# Altium PCB LB-word-PCB.PcbDoc (part 2 of 4)
Units mm, origin at the board's own origin, x right, y up, seen from the top; angles counter-clockwise.
Board outline 400 x 70 mm, 4 copper layers (Top Layer, Signal Layer 1, Signal Layer 2, Bottom Layer), stack 0.778 mm thick; 411 components, 279 nets, 1593 pads, 857 vias.
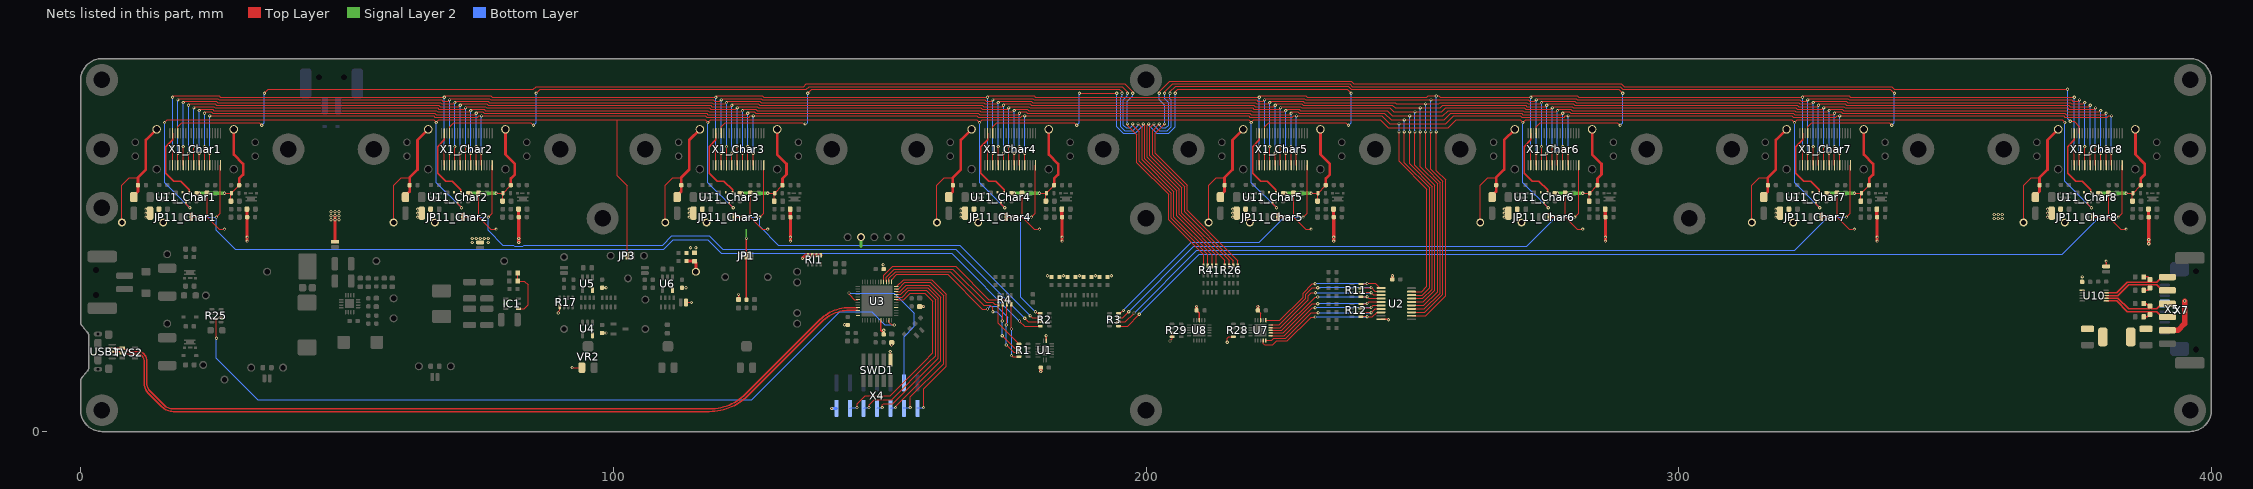
[diagram p4: the nets of this part, all layers, seen from the top]

## Part data
C1 C2_Char1 C2_Char2 C2_Char3 C2_Char4 C2_Char5 C2_Char6 C2_Char7 C2_Char8 C3_Char1 C3_Char2 C3_Char3 C3_Char4 C3_Char5 C3_Char6 C3_Char7 C3_Char8 C4_Char1 C4_Char2 C4_Char3 C4_Char4 C4_Char5 C4_Char6 C4_Char7 C4_Char8 C5_Char1 C5_Char2 C5_Char3 C5_Char4 C5_Char5 C5_Char6 C5_Char7 C5_Char8 C6_Char1 C6_Char2 C6_Char3 C6_Char4 C6_Char5 C6_Char6 C6_Char7 C6_Char8 C7_Char1 C7_Char2 C7_Char3 C7_Char4 C7_Char5 C7_Char6 C7_Char7 C7_Char8 C8_Char1 C8_Char2 C8_Char3 C8_Char4 C8_Char5 C8_Char6 C8_Char7 C8_Char8 C9 C10 C11 C12 C13 C14 C15 C16 C17 C18 C19 C20 C21 C22 C23 C24 C25 C26 C27 C28 C29 C31 C32 C33 C34 C35 C36 C37 C38_Char1 C38_Char2 C38_Char3 C38_Char4 C38_Char5 C38_Char6 C38_Char7 C38_Char8 CBST1 CFF1 CI1 CI2 CI3 CO1 CO2 CR1 CX1 CX2: library part Capacitor, "Capacitor MLCC", Manufacturer=Yageo, Manufacturer Part Number=CC0603KRX7R9BB104, Package=0603, Supplier Part Number 1=1362556, Tolerance (%)=10, Category=Capacitor, ComponentLink1Description="Manufacturer Website", ComponentLink1URL=http://www.yageo.com, Supplier 1=Farnell, Supplier 2=Digi-Key, Supplier Part Number 2=311-1344-1-ND
C30: library part "Capacitor Polarized", "Polarized Cap", PackageDocument=Mar-2001, Code_JEITA=7343-31, ComponentLink1Description="Manufacturer Link", ComponentLink1URL=http://www.kemet.com/, ComponentLink2Description=Datasheet, ComponentLink2URL=http://www.kemet.com/kemet/web/homepage/kechome.nsf/vapubfilesname/F3102TA.pdf/$file/F3102TA.pdf, DatasheetDocument=Mar-2001, LatestRevisionDate=19-Mar-2004, LatestRevisionNote="Silkscreen dimensions re-sized.", PackageReference=D, Published=17-Jul-2002, Publisher="Altium Limited"
D1 D5 D7: library part TVS
D3 D4 D6: library part "Diode Schottky"
F1_Char1 F1_Char2 F1_Char3 F1_Char4 F1_Char5 F1_Char6 F1_Char7 F1_Char8: library part PTC, "PTC, Resettable Fuse"
F2_Char1 F2_Char2 F2_Char3 F2_Char4 F2_Char5 F2_Char6 F2_Char7 F2_Char8 F3 F4 F5: "PTC, Resettable Fuse"
FB1_Char1 FB1_Char2 FB1_Char3 FB1_Char4 FB1_Char5 FB1_Char6 FB1_Char7 FB1_Char8 FB2_Char1 FB2_Char2 FB2_Char3 FB2_Char4 FB2_Char5 FB2_Char6 FB2_Char7 FB2_Char8 FB3_Char1 FB3_Char2 FB3_Char3 FB3_Char4 FB3_Char5 FB3_Char6 FB3_Char7 FB3_Char8 FBA1: library part "Ferrite Bead"
Hole1_Char1 Hole1_Char2 Hole1_Char3 Hole1_Char4 Hole1_Char5 Hole1_Char6 Hole1_Char7 Hole1_Char8 Hole2_Char1 Hole2_Char2 Hole2_Char3 Hole2_Char4 Hole2_Char5 Hole2_Char6 Hole2_Char7 Hole2_Char8 Hole3 Hole4 Hole5 Hole6 Hole7 Hole8 Hole9 Hole10 Hole11 Hole12 Hole13: library part Hole
IC1: "Buck Converter"
L23: library part Inductor
Q1_Char1 Q1_Char2 Q1_Char3 Q1_Char4 Q1_Char5 Q1_Char6 Q1_Char7 Q1_Char8 Q2_Char1 Q2_Char2 Q2_Char3 Q2_Char4 Q2_Char5 Q2_Char6 Q2_Char7 Q2_Char8 Q4 Q5: library part "MOSFET P CH"
R1 R2 R3 R4 R5 R6 R11 R12 R15 R17 R18 R21 R25 R26 R28 R29 R41 R42 R43 RI1: library part "Resistor Array - 4P"
R7_Char1 R7_Char2 R7_Char3 R7_Char4 R7_Char5 R7_Char6 R7_Char7 R7_Char8 R8_Char1 R8_Char2 R8_Char3 R8_Char4 R8_Char5 R8_Char6 R8_Char7 R8_Char8 R9 R10 R13 R14 R16 R19 R20 R22 R23 R24_Char1 R24_Char2 R24_Char3 R24_Char4 R24_Char5 R24_Char6 R24_Char7 R24_Char8 R27 R30 R31 R32 R33 R34 R35 R36 R37 R38 R39 R40 RFB1 RFB2 RS_SCL1 RS_SDA1 SHUNT1 SHUNT2: library part Resistor, PackageDocument=Mar-2003, Code_IPC="1608 [0603]", ComponentLink1Description="Manufacturer Link", ComponentLink1URL=http://www.panasonic.com/industrial/components/resistive_products.htm, ComponentLink2Description=Datasheet, ComponentLink2URL=http://www.panasonic.com/industrial/components/pdf/AOA0000CE2.pdf, LatestRevisionDate=19-Mar-2004, LatestRevisionNote="Silkscreen size reduced.", PackageReference=3-0603, Published=17-Dec-2003, Publisher="Altium Limited"
SWD1: library part SWD
TVS1: library part "TVS Bidirectional"
U1: "3 to 8 Decoder"
U2: "Schmitt Trigger Octal"
U4 U5 U6: "Single RRO Opamp"
U7 U8: "I2C Port Expander"
U9: "Boost/SEPIC/Flyback converter"
U10: library part PCA9615DP
U11_Char1 U11_Char2 U11_Char3 U11_Char4 U11_Char5 U11_Char6 U11_Char7 U11_Char8: "Buffer with Enable"
X1_Char1 X1_Char2 X1_Char3 X1_Char4 X1_Char5 X1_Char6 X1_Char7 X1_Char8: library part FX23-40P
X3: library part Crystal
X7: library part "Connector 6W - TAB"

## Via types
v1: diameter 0.6, hole 0.3, Top Layer to Bottom Layer, 849 vias
v2: diameter 1.6, hole 1.1, Top Layer to Bottom Layer, 8 vias

## Nets (pads, with @x,y where several pads share a name; then routed paths per layer and width w, separated by ;. In a path a pad name is that pad's centre, name@x,y a point inside that pad or via, vN(x,y) a via of type N, cw(c..) or ccw(c..) an arc to the next point about the centre after c; other vN are vias at no path point)
+3V3: C1.1 C7_Char1.1 C7_Char2.1 C7_Char3.1 C7_Char4.1 C7_Char5.1 C7_Char6.1 C7_Char7.1 C7_Char8.1 C10.1 C13.1 C14.1 C15.1 C24.1 C25.1 C26.1 C34.1 FB3_Char1.1 FB3_Char2.1 FB3_Char3.1 FB3_Char4.1 FB3_Char5.1 FB3_Char6.1 FB3_Char7.1 FB3_Char8.1 FB4.2 FBA1.2 JP7.2 JP10.1 L5.2 L6.2 L7.2 L8.2 L9.2 L10.2 L11.2 L12.2 R10.1 R13.2 R28.4 R29.3 R29.4 RI1.5 RI1.6 RI1.7 RI1.8 SWD1.1 TP24.1 U1.16 U2.20 U3.17 U3.36 U3.44 U7.18 U8.18 U10.1 X4.14 | length 75.8
  Top Layer w0.2: v1(152,15) 152.04,14.96 SWD1.1@152.04,13.45 ; R13.2@152.25,16.7 R13.2@152.25,17 ; v1(204.5,17) 204.9,17.4 R29.4@204.9,17.8 R29.3@204.9,18.6 ; v1(215.25,16.75) 215.25,17.5 215.55,17.8 R28.4@216.4,17.8 ; C25.1@221,22.75 221.5,22.25 U7.18@221.5,20.9
  Top Layer w0.25: R10.1@123.5,24.8 v1(123.5,25.75) ; U3.44@150.25,20.925 150.25,19 C13.1@150.75,18.5
  Top Layer w0.3: U1.16@181.25,17.05 v1(181.25,18) ; C26.1@209.5,22.75 210,22.25 U8.18@210,20.9 ; U2.20@244.15,21.075 245.425,21.075 v1(245.5,21) ; JP10.1@380.25,31 v1(380.25,32)
  Top Layer w0.6: FB3_Char1.1@31.2,41.75 31.2,40.3 C7_Char1.1@31.25,40.25 31.25,38.5 v1(31.25,36.5) v1(31.25,35.75) ; FB3_Char2.1@82.2,41.75 82.2,40.3 C7_Char2.1@82.25,40.25 v1(82.25,36.25) v1(82.25,35.5) ; FB3_Char3.1@133.2,41.75 133.2,40.3 C7_Char3.1@133.25,40.25 v1(133.25,36.5) v1(133.25,35.75) ; v1(135.5,32.5) 136.1,33.1 RI1.8@136.55,33.1 RI1.7@137.35,33.1 RI1.6@138.15,33.1 RI1.5@138.95,33.1 ; v1(152.25,16.25) R13.2@152.25,16.7 ; FBA1.2@157.5,23.45 158.2,23.45 v1(158.25,23.5) ; v1(180.25,11.25) C1.1@180.25,12 ; FB3_Char4.1@184.2,41.75 184.2,40.3 C7_Char4.1@184.25,40.25 184.25,38.5 v1(184.25,36.5) v1(184.25,35.75) ; C26.1@209.5,22.75 v1(209.5,23.5) ; C25.1@221,22.75 v1(221,23.5) ; FB3_Char5.1@235.2,41.75 235.2,40.3 C7_Char5.1@235.25,40.25 235.25,38.5 v1(235.25,36.5) v1(235.25,35.75) ; C10.1@246.25,28.55 v1(246.25,29.25) ; FB3_Char6.1@286.2,41.75 286.2,40.3 C7_Char6.1@286.25,40.25 286.25,38.5 v1(286.25,36.5) v1(286.25,35.75) ; FB3_Char7.1@337.2,41.75 337.2,40.3 C7_Char7.1@337.25,40.25 v1(337.25,35.75) ; FB3_Char8.1@388.2,41.75 388.2,40.3 C7_Char8.1@388.25,40.25 388.25,38.5 v1(388.25,36) v1(388.25,35.25)
  Signal Layer 2 w0.6: 146.5,34.75 TP24.1@146.5,36.25
  Bottom Layer w0.6: v1(141,4.35) X4.14@141.88,4.35
  other v1: 150.75,19 143.4,20.05 375.75,29.027 181.5,29.25 184.5,29.25 187.5,29.25 190.5,29.25 193.5,29.25 150.65,31.3 114.5,34.5 115.5,34.5 73.5,35.5 76.5,35.5 73.5,36.25 74.25,36.25 75,36.25 75.75,36.25 76.5,36.25 337.25,36.5
+3V3_OUT_Char1: C8_Char1.1 C38_Char1.1 F2_Char1.2 R24_Char1.2 U11_Char1.5 X1_Char1.PWR4 | length 21.2
  Top Layer w0.15: v1(27,44.75) F2_Char1.2@28.3,44.75 28.2,44.65 R24_Char1.2@28.2,43.25
  Top Layer w0.2: F2_Char1.2@28.3,44.75 29.75,46.2 C8_Char1.1@29.75,46.25
  Top Layer w0.5: X1_Char1.PWR4@28.75,56.725 28.75,52 30.5,50.25 30.5,48.25 29.75,47.5 C8_Char1.1@29.75,46.25
  Signal Layer 2 w0.6: v1(22.25,44.75) v1(27,44.75)
+3V3_OUT_Char2: C8_Char2.1 C38_Char2.1 F2_Char2.2 R24_Char2.2 U11_Char2.5 X1_Char2.PWR4 | length 21.2
  Top Layer w0.15: v1(78,44.75) F2_Char2.2@79.3,44.75 79.2,44.65 R24_Char2.2@79.2,43.25
  Top Layer w0.2: F2_Char2.2@79.3,44.75 80.75,46.2 C8_Char2.1@80.75,46.25
  Top Layer w0.5: X1_Char2.PWR4@79.75,56.725 79.75,52 81.5,50.25 81.5,48.25 80.75,47.5 C8_Char2.1@80.75,46.25
  Signal Layer 2 w0.6: v1(73.25,44.75) v1(78,44.75)
+3V3_OUT_Char3: C8_Char3.1 C38_Char3.1 F2_Char3.2 R24_Char3.2 U11_Char3.5 X1_Char3.PWR4 | length 21.2
  Top Layer w0.15: v1(129,44.75) F2_Char3.2@130.3,44.75 130.2,44.65 R24_Char3.2@130.2,43.25
  Top Layer w0.2: F2_Char3.2@130.3,44.75 131.75,46.2 C8_Char3.1@131.75,46.25
  Top Layer w0.5: X1_Char3.PWR4@130.75,56.725 130.75,52 132.5,50.25 132.5,48.25 131.75,47.5 C8_Char3.1@131.75,46.25
  Signal Layer 2 w0.6: v1(124.25,44.75) v1(129,44.75)
+3V3_OUT_Char4: C8_Char4.1 C38_Char4.1 F2_Char4.2 R24_Char4.2 U11_Char4.5 X1_Char4.PWR4 | length 21.2
  Top Layer w0.15: v1(180,44.75) F2_Char4.2@181.3,44.75 181.2,44.65 R24_Char4.2@181.2,43.25
  Top Layer w0.2: F2_Char4.2@181.3,44.75 182.75,46.2 C8_Char4.1@182.75,46.25
  Top Layer w0.5: X1_Char4.PWR4@181.75,56.725 181.75,52 183.5,50.25 183.5,48.25 182.75,47.5 C8_Char4.1@182.75,46.25
  Signal Layer 2 w0.6: v1(175.25,44.75) v1(180,44.75)
+3V3_OUT_Char5: C8_Char5.1 C38_Char5.1 F2_Char5.2 R24_Char5.2 U11_Char5.5 X1_Char5.PWR4 | length 21.2
  Top Layer w0.15: v1(231,44.75) F2_Char5.2@232.3,44.75 232.2,44.65 R24_Char5.2@232.2,43.25
  Top Layer w0.2: F2_Char5.2@232.3,44.75 233.75,46.2 C8_Char5.1@233.75,46.25
  Top Layer w0.5: X1_Char5.PWR4@232.75,56.725 232.75,52 234.5,50.25 234.5,48.25 233.75,47.5 C8_Char5.1@233.75,46.25
  Signal Layer 2 w0.6: v1(226.25,44.75) v1(231,44.75)
+3V3_OUT_Char6: C8_Char6.1 C38_Char6.1 F2_Char6.2 R24_Char6.2 U11_Char6.5 X1_Char6.PWR4 | length 21.2
  Top Layer w0.15: v1(282,44.75) F2_Char6.2@283.3,44.75 283.2,44.65 R24_Char6.2@283.2,43.25
  Top Layer w0.2: F2_Char6.2@283.3,44.75 284.75,46.2 C8_Char6.1@284.75,46.25
  Top Layer w0.5: X1_Char6.PWR4@283.75,56.725 283.75,52 285.5,50.25 285.5,48.25 284.75,47.5 C8_Char6.1@284.75,46.25
  Signal Layer 2 w0.6: v1(277.25,44.75) v1(282,44.75)
+3V3_OUT_Char7: C8_Char7.1 C38_Char7.1 F2_Char7.2 R24_Char7.2 U11_Char7.5 X1_Char7.PWR4 | length 21.2
  Top Layer w0.15: v1(333,44.75) F2_Char7.2@334.3,44.75 334.2,44.65 R24_Char7.2@334.2,43.25
  Top Layer w0.2: F2_Char7.2@334.3,44.75 335.75,46.2 C8_Char7.1@335.75,46.25
  Top Layer w0.5: X1_Char7.PWR4@334.75,56.725 334.75,52 336.5,50.25 336.5,48.25 335.75,47.5 C8_Char7.1@335.75,46.25
  Signal Layer 2 w0.6: v1(328.25,44.75) v1(333,44.75)
+3V3_OUT_Char8: C8_Char8.1 C38_Char8.1 F2_Char8.2 R24_Char8.2 U11_Char8.5 X1_Char8.PWR4 | length 21.2
  Top Layer w0.15: v1(384,44.75) F2_Char8.2@385.3,44.75 385.2,44.65 R24_Char8.2@385.2,43.25
  Top Layer w0.2: F2_Char8.2@385.3,44.75 386.75,46.2 C8_Char8.1@386.75,46.25
  Top Layer w0.5: X1_Char8.PWR4@385.75,56.725 385.75,52 387.5,50.25 387.5,48.25 386.75,47.5 C8_Char8.1@386.75,46.25
  Signal Layer 2 w0.6: v1(379.25,44.75) v1(384,44.75)
+3VOSC: C18.1 C19.1 C21.1 C23.1 FB4.1 JP5.1 R17.1 TP12.1 U4.5 U5.5 U6.5 VR2.3 | length 7.7
  Top Layer w0.15: v1(89.65,22.25) 89.65,22.5 89.95,22.8 R17.1@89.95,23.4 ; v1(92.25,12) VR2.3@94.1,12 ; JP5.1@113.65,24.25 v1(114.65,24.25)
  Top Layer w0.6: C23.1@113.75,32 115.2,32 FB4.1@115.25,31.95 115.5,31.7 TP12.1@115.5,30
  other v1: 98.65,18.5 98.65,27 113.65,27
+15V: C4_Char1.1 C4_Char2.1 C4_Char3.1 C4_Char4.1 C4_Char5.1 C4_Char6.1 C4_Char7.1 C4_Char8.1 C36.1 F5.1 FB1_Char1.1 FB1_Char2.1 FB1_Char3.1 FB1_Char4.1 FB1_Char5.1 FB1_Char6.1 FB1_Char7.1 FB1_Char8.1 JP9.2 TP1_Char1.1 TP1_Char2.1 TP1_Char3.1 TP1_Char4.1 TP1_Char5.1 TP1_Char6.1 TP1_Char7.1 TP1_Char8.1 | length 4.9
  Top Layer w0.6: JP9.2@47.75,35.625 v1(47.75,39.75) v1(47.75,40.5)
  other v1: 47,39.75 48.5,39.75 359.25,40 360,40 360.75,40 12.25,40.25 63.25,40.25 114.25,40.25 165.25,40.25 216.25,40.25 267.25,40.25 318.25,40.25 369.25,40.25 47,40.5 48.5,40.5 359.25,40.75 360,40.75 360.75,40.75 12.25,41 63.25,41 114.25,41 165.25,41 216.25,41 267.25,41 318.25,41 369.25,41 47,41.25 47.75,41.25 48.5,41.25 12.25,41.75 63.25,41.75 114.25,41.75 165.25,41.75 216.25,41.75 267.25,41.75 318.25,41.75 369.25,41.75
+15V_OUT_Char1: C3_Char1.1 F1_Char1.2 TP2_Char1.1 X1_Char1.PWR3 | length 24.8
  Top Layer w0.15: TP2_Char1.1@7.75,39.25 7.75,46.25 9.15,47.65 10.75,47.65 ; F1_Char1.2@9.923,44.25 F1_Char1.2@9.973,44.3
  Top Layer w0.5: F1_Char1.2@9.973,44.3 10.75,45.077 C3_Char1.1@10.75,46.25 10.75,47.65 12.25,49.15 12.25,54.725 X1_Char1.PWR3@14.25,56.725
+15V_OUT_Char2: C3_Char2.1 F1_Char2.2 TP2_Char2.1 X1_Char2.PWR3 | length 24.8
  Top Layer w0.15: TP2_Char2.1@58.75,39.25 58.75,46.25 60.15,47.65 61.75,47.65 ; F1_Char2.2@60.923,44.25 F1_Char2.2@60.973,44.3
  Top Layer w0.5: F1_Char2.2@60.973,44.3 61.75,45.077 C3_Char2.1@61.75,46.25 61.75,47.65 63.25,49.15 63.25,54.725 X1_Char2.PWR3@65.25,56.725
+15V_OUT_Char3: C3_Char3.1 F1_Char3.2 TP2_Char3.1 X1_Char3.PWR3 | length 24.8
  Top Layer w0.15: TP2_Char3.1@109.75,39.25 109.75,46.25 111.15,47.65 112.75,47.65 ; F1_Char3.2@111.923,44.25 F1_Char3.2@111.973,44.3
  Top Layer w0.5: F1_Char3.2@111.973,44.3 112.75,45.077 C3_Char3.1@112.75,46.25 112.75,47.65 114.25,49.15 114.25,54.725 X1_Char3.PWR3@116.25,56.725
+15V_OUT_Char4: C3_Char4.1 F1_Char4.2 TP2_Char4.1 X1_Char4.PWR3 | length 24.8
  Top Layer w0.15: TP2_Char4.1@160.75,39.25 160.75,46.25 162.15,47.65 163.75,47.65 ; F1_Char4.2@162.923,44.25 F1_Char4.2@162.973,44.3
  Top Layer w0.5: F1_Char4.2@162.973,44.3 163.75,45.077 C3_Char4.1@163.75,46.25 163.75,47.65 165.25,49.15 165.25,54.725 X1_Char4.PWR3@167.25,56.725
+15V_OUT_Char5: C3_Char5.1 F1_Char5.2 TP2_Char5.1 X1_Char5.PWR3 | length 24.8
  Top Layer w0.15: TP2_Char5.1@211.75,39.25 211.75,46.25 213.15,47.65 214.75,47.65 ; F1_Char5.2@213.923,44.25 F1_Char5.2@213.973,44.3
  Top Layer w0.5: F1_Char5.2@213.973,44.3 214.75,45.077 C3_Char5.1@214.75,46.25 214.75,47.65 216.25,49.15 216.25,54.725 X1_Char5.PWR3@218.25,56.725
+15V_OUT_Char6: C3_Char6.1 F1_Char6.2 TP2_Char6.1 X1_Char6.PWR3 | length 24.8
  Top Layer w0.15: TP2_Char6.1@262.75,39.25 262.75,46.25 264.15,47.65 265.75,47.65 ; F1_Char6.2@264.923,44.25 F1_Char6.2@264.973,44.3
  Top Layer w0.5: F1_Char6.2@264.973,44.3 265.75,45.077 C3_Char6.1@265.75,46.25 265.75,47.65 267.25,49.15 267.25,54.725 X1_Char6.PWR3@269.25,56.725
+15V_OUT_Char7: C3_Char7.1 F1_Char7.2 TP2_Char7.1 X1_Char7.PWR3 | length 24.8
  Top Layer w0.15: TP2_Char7.1@313.75,39.25 313.75,46.25 315.15,47.65 316.75,47.65 ; F1_Char7.2@315.923,44.25 F1_Char7.2@315.973,44.3
  Top Layer w0.5: F1_Char7.2@315.973,44.3 316.75,45.077 C3_Char7.1@316.75,46.25 316.75,47.65 318.25,49.15 318.25,54.725 X1_Char7.PWR3@320.25,56.725
+15V_OUT_Char8: C3_Char8.1 F1_Char8.2 TP2_Char8.1 X1_Char8.PWR3 | length 24.8
  Top Layer w0.15: TP2_Char8.1@364.75,39.25 364.75,46.25 366.15,47.65 367.75,47.65 ; F1_Char8.2@366.923,44.25 F1_Char8.2@366.973,44.3
  Top Layer w0.5: F1_Char8.2@366.973,44.3 367.75,45.077 C3_Char8.1@367.75,46.25 367.75,47.65 369.25,49.15 369.25,54.725 X1_Char8.PWR3@371.25,56.725
+15VOUT: C37.1 F5.2 X5.4 X5.5 X7.2 | length 8
  Top Layer w1: X7.2@391.75,19 393.75,19 395,20.25 v1(395,22.5) v1(395,23.5) v1(395,24.5)
A1: U3.7 X4.13 | length 38.1
  Top Layer w0.15: v1(145.75,4.5) 145.75,5.25 147.25,6.75 152,6.75 158.375,13.125 160,14.75 160,24.5 158.5,26 155.75,26 154.5,24.75 U3.7@153.075,24.75
  Bottom Layer w0.15: X4.13@144.42,4.35 144.57,4.5 v1(145.75,4.5)
A2: U3.8 X4.12 | length 37.1
  Top Layer w0.15: v1(148,4.5) 148,5 149,6 152.25,6 159.125,12.875 160.5,14.25 160.5,24.75 158.75,26.5 155.5,26.5 154.25,25.25 U3.8@153.075,25.25
  Bottom Layer w0.15: X4.12@146.96,4.35 147.11,4.5 v1(148,4.5)
A3: U3.9 X4.11 | length 36.2
  Top Layer w0.15: v1(150.5,4.5) 150.5,5 150.75,5.25 152.5,5.25 161,13.75 161,25 159,27 155.25,27 154,25.75 U3.9@153.075,25.75
  Bottom Layer w0.15: X4.11@149.5,4.35 149.65,4.5 v1(150.5,4.5)
A4: U3.10 X4.10 | length 35.2
  Top Layer w0.15: v1(153,4.5) 153,4.75 161.5,13.25 161.5,25.25 159.25,27.5 155,27.5 153.75,26.25 U3.10@153.075,26.25
  Bottom Layer w0.15: X4.10@152.04,4.35 152.19,4.5 v1(153,4.5)
A5: R25.6 U3.47 | length 148.2
  Top Layer w0.15: v1(25.5,17.5) 25.5,21 25.85,21.35 R25.6@26.35,21.35 ; U3.47@151.75,20.925 151.75,20.5 152.25,20 v1(152.75,20)
  Bottom Layer w0.15: v1(25.5,17.5) 25.5,13.75 33.25,6 126,6 142.5,22.5 148.5,22.5 151,20 v1(152.75,20)
AREF: U3.4
BIT0: U2.9 X1_Char1.16 X1_Char2.16 X1_Char3.16 X1_Char4.16 X1_Char5.16 X1_Char6.16 X1_Char7.16 X1_Char8.16 | length 469.7
  Top Layer w0.15: X1_Char1.16@24.25,50 v1(24.25,52.25) ; v1(24.25,59.25) 66.25,59.25 66.5,59 74.5,59 74.75,59.25 v1(75.25,59.25) 117.25,59.25 117.5,59 125.5,59 125.75,59.25 v1(126.25,59.25) 168.25,59.25 168.5,59 176.5,59 176.75,59.25 v1(177.25,59.25) 219.25,59.25 219.5,59 227.5,59 227.75,59.25 v1(228.25,59.25) 244.25,59.25 245.75,57.75 v1(247.5,57.75) 256.25,57.75 257.75,59.25 270.25,59.25 270.5,59 278.5,59 278.75,59.25 v1(279.25,59.25) 321.25,59.25 321.5,59 329.5,59 329.75,59.25 v1(330.25,59.25) 372.25,59.25 372.5,59 380.5,59 380.75,59.25 v1(381.25,59.25) ; X1_Char2.16@75.25,50 v1(75.25,52.25) ; X1_Char3.16@126.25,50 v1(126.25,52.25) ; X1_Char4.16@177.25,50 v1(177.25,52.25) ; X1_Char5.16@228.25,50 v1(228.25,52.25) ; v1(247.5,56.25) 247.5,50.75 252.75,45.5 252.75,27.25 251.775,26.275 U2.9@249.85,26.275 ; X1_Char6.16@279.25,50 v1(279.25,52.25) ; X1_Char7.16@330.25,50 v1(330.25,52.25) ; X1_Char8.16@381.25,50 v1(381.25,52.25)
  Bottom Layer w0.15: v1(24.25,52.25) v1(24.25,59.25) ; v1(75.25,52.25) v1(75.25,59.25) ; v1(126.25,52.25) v1(126.25,59.25) ; v1(177.25,52.25) v1(177.25,59.25) ; v1(228.25,52.25) v1(228.25,59.25) ; v1(247.5,56.25) v1(247.5,57.75) ; v1(279.25,52.25) v1(279.25,59.25) ; v1(330.25,52.25) v1(330.25,59.25) ; v1(381.25,52.25) v1(381.25,59.25)
BIT1: U2.8 X1_Char1.14 X1_Char2.14 X1_Char3.14 X1_Char4.14 X1_Char5.14 X1_Char6.14 X1_Char7.14 X1_Char8.14 | length 476.4
  Top Layer w0.15: X1_Char1.14@23.25,50 v1(23.25,53.5) ; v1(23.25,59.75) 23.5,60 24.5,60 24.75,59.75 56,59.75 66.5,59.75 66.75,59.5 74,59.5 v1(74.25,59.75) 74.5,60 75.5,60 75.75,59.75 107,59.75 117.5,59.75 117.75,59.5 125,59.5 v1(125.25,59.75) 125.5,60 126.5,60 126.75,59.75 158,59.75 168.5,59.75 168.75,59.5 176,59.5 v1(176.25,59.75) 176.5,60 177.5,60 177.75,59.75 189.5,59.75 219.5,59.75 219.75,59.5 227,59.5 v1(227.25,59.75) 227.5,60 228.5,60 228.75,59.75 244.75,59.75 246,58.5 v1(248.5,58.5) 256,58.5 257.25,59.75 260,59.75 270.5,59.75 270.75,59.5 278,59.5 v1(278.25,59.75) 278.5,60 279.5,60 279.75,59.75 311,59.75 321.5,59.75 321.75,59.5 329,59.5 v1(329.25,59.75) 329.5,60 330.5,60 330.75,59.75 362,59.75 372.5,59.75 372.75,59.5 380,59.5 v1(380.25,59.75) ; X1_Char2.14@74.25,50 v1(74.25,53.5) ; X1_Char3.14@125.25,50 v1(125.25,53.5) ; X1_Char4.14@176.25,50 v1(176.25,53.5) ; X1_Char5.14@227.25,50 v1(227.25,53.5) ; v1(248.5,56.25) 248.5,50.5 253.25,45.75 253.25,27 251.875,25.625 U2.8@249.85,25.625 ; X1_Char6.14@278.25,50 v1(278.25,53.5) ; X1_Char7.14@329.25,50 v1(329.25,53.5) ; X1_Char8.14@380.25,50 v1(380.25,53.5)
  Bottom Layer w0.15: v1(23.25,53.5) v1(23.25,59.75) ; v1(74.25,53.5) v1(74.25,59.75) ; v1(125.25,53.5) v1(125.25,59.75) ; v1(176.25,53.5) v1(176.25,59.75) ; v1(227.25,53.5) v1(227.25,59.75) ; v1(248.5,56.25) v1(248.5,58.5) ; v1(278.25,53.5) v1(278.25,59.75) ; v1(329.25,53.5) v1(329.25,59.75) ; v1(380.25,53.5) v1(380.25,59.75)
BIT2: U2.7 X1_Char1.12 X1_Char2.12 X1_Char3.12 X1_Char4.12 X1_Char5.12 X1_Char6.12 X1_Char7.12 X1_Char8.12 | length 481.6
  Top Layer w0.15: X1_Char1.12@22.25,50 v1(22.25,52.25) ; v1(22.25,60.25) 22.5,60.5 24.75,60.5 25,60.25 36.5,60.25 66.75,60.25 67,60 73,60 v1(73.25,60.25) 73.5,60.5 75.75,60.5 76,60.25 107,60.25 117.75,60.25 118,60 124,60 v1(124.25,60.25) 124.5,60.5 126.75,60.5 127,60.25 138.5,60.25 168.75,60.25 169,60 175,60 v1(175.25,60.25) 175.5,60.5 177.75,60.5 178,60.25 209,60.25 219.75,60.25 220,60 226,60 v1(226.25,60.25) 226.5,60.5 228.75,60.5 229,60.25 245.25,60.25 246.25,59.25 v1(249.5,59.25) 255.75,59.25 256.75,60.25 260,60.25 270.75,60.25 271,60 277,60 v1(277.25,60.25) 277.5,60.5 279.75,60.5 280,60.25 291.5,60.25 321.75,60.25 322,60 328,60 v1(328.25,60.25) 328.5,60.5 330.75,60.5 331,60.25 342.5,60.25 372.75,60.25 373,60 379,60 v1(379.25,60.25) ; X1_Char2.12@73.25,50 v1(73.25,52.25) ; X1_Char3.12@124.25,50 v1(124.25,52.25) ; X1_Char4.12@175.25,50 v1(175.25,52.25) ; X1_Char5.12@226.25,50 v1(226.25,52.25) ; v1(249.5,56.25) 249.5,50.25 253.75,46 253.75,26.75 251.975,24.975 U2.7@249.85,24.975 ; X1_Char6.12@277.25,50 v1(277.25,52.25) ; X1_Char7.12@328.25,50 v1(328.25,52.25) ; X1_Char8.12@379.25,50 v1(379.25,52.25)
  Bottom Layer w0.15: v1(22.25,52.25) v1(22.25,60.25) ; v1(73.25,52.25) v1(73.25,60.25) ; v1(124.25,52.25) v1(124.25,60.25) ; v1(175.25,52.25) v1(175.25,60.25) ; v1(226.25,52.25) v1(226.25,60.25) ; v1(249.5,56.25) v1(249.5,59.25) ; v1(277.25,52.25) v1(277.25,60.25) ; v1(328.25,52.25) v1(328.25,60.25) ; v1(379.25,52.25) v1(379.25,60.25)
BIT3: U2.6 X1_Char1.10 X1_Char2.10 X1_Char3.10 X1_Char4.10 X1_Char5.10 X1_Char6.10 X1_Char7.10 X1_Char8.10 | length 486.9
  Top Layer w0.15: X1_Char1.10@21.25,50 v1(21.25,53.5) ; v1(21.25,60.75) 21.5,61 25,61 25.25,60.75 56,60.75 67,60.75 67.25,60.5 72,60.5 v1(72.25,60.75) 72.5,61 76,61 76.25,60.75 107,60.75 118,60.75 118.25,60.5 123,60.5 v1(123.25,60.75) 123.5,61 127,61 127.25,60.75 158,60.75 169,60.75 169.25,60.5 174,60.5 v1(174.25,60.75) 174.5,61 178,61 178.25,60.75 189.5,60.75 220,60.75 220.25,60.5 225,60.5 v1(225.25,60.75) 225.5,61 229,61 229.25,60.75 245.75,60.75 246.5,60 v1(250.5,60) 255.5,60 256.25,60.75 260,60.75 271,60.75 271.25,60.5 276,60.5 v1(276.25,60.75) 276.5,61 280,61 280.25,60.75 311,60.75 322,60.75 322.25,60.5 327,60.5 v1(327.25,60.75) 327.5,61 331,61 331.25,60.75 362,60.75 373,60.75 373.25,60.5 378,60.5 v1(378.25,60.75) ; X1_Char2.10@72.25,50 v1(72.25,53.5) ; X1_Char3.10@123.25,50 v1(123.25,53.5) ; X1_Char4.10@174.25,50 v1(174.25,53.5) ; X1_Char5.10@225.25,50 v1(225.25,53.5) ; U2.6@249.85,24.325 252.075,24.325 254.25,26.5 254.25,46.25 250.5,50 v1(250.5,56.25) ; X1_Char6.10@276.25,50 v1(276.25,53.5) ; X1_Char7.10@327.25,50 v1(327.25,53.5) ; X1_Char8.10@378.25,50 v1(378.25,53.5)
  Bottom Layer w0.15: v1(21.25,53.5) v1(21.25,60.75) ; v1(72.25,53.5) v1(72.25,60.75) ; v1(123.25,53.5) v1(123.25,60.75) ; v1(174.25,53.5) v1(174.25,60.75) ; v1(225.25,53.5) v1(225.25,60.75) ; v1(250.5,56.25) v1(250.5,60) ; v1(276.25,53.5) v1(276.25,60.75) ; v1(327.25,53.5) v1(327.25,60.75) ; v1(378.25,53.5) v1(378.25,60.75)
BIT4: U2.5 X1_Char1.8 X1_Char2.8 X1_Char3.8 X1_Char4.8 X1_Char5.8 X1_Char6.8 X1_Char7.8 X1_Char8.8 | length 492.1
  Top Layer w0.15: X1_Char1.8@20.25,50 v1(20.25,52.25) ; v1(20.25,61.25) 20.5,61.5 25.25,61.5 25.5,61.25 56,61.25 67.25,61.25 67.5,61 71,61 v1(71.25,61.25) 71.5,61.5 76.25,61.5 76.5,61.25 107,61.25 118.25,61.25 118.5,61 122,61 v1(122.25,61.25) 122.5,61.5 127.25,61.5 127.5,61.25 158,61.25 169.25,61.25 169.5,61 173,61 v1(173.25,61.25) 173.5,61.5 178.25,61.5 178.5,61.25 209,61.25 220.25,61.25 220.5,61 224,61 v1(224.25,61.25) 224.5,61.5 229.25,61.5 229.5,61.25 246.25,61.25 246.75,60.75 v1(251.5,60.75) 255.25,60.75 255.75,61.25 260,61.25 271.25,61.25 271.5,61 275,61 v1(275.25,61.25) 275.5,61.5 280.25,61.5 280.5,61.25 291.5,61.25 322.25,61.25 322.5,61 326,61 v1(326.25,61.25) 326.5,61.5 331.25,61.5 331.5,61.25 342.5,61.25 373.25,61.25 373.5,61 377,61 v1(377.25,61.25) ; X1_Char2.8@71.25,50 v1(71.25,52.25) ; X1_Char3.8@122.25,50 v1(122.25,52.25) ; X1_Char4.8@173.25,50 v1(173.25,52.25) ; X1_Char5.8@224.25,50 v1(224.25,52.25) ; U2.5@249.85,23.675 252.175,23.675 254.75,26.25 254.75,46.5 251.5,49.75 v1(251.5,56.25) ; X1_Char6.8@275.25,50 v1(275.25,52.25) ; X1_Char7.8@326.25,50 v1(326.25,52.25) ; X1_Char8.8@377.25,50 v1(377.25,52.25)
  Bottom Layer w0.15: v1(20.25,52.25) v1(20.25,61.25) ; v1(71.25,52.25) v1(71.25,61.25) ; v1(122.25,52.25) v1(122.25,61.25) ; v1(173.25,52.25) v1(173.25,61.25) ; v1(224.25,52.25) v1(224.25,61.25) ; v1(251.5,56.25) v1(251.5,60.75) ; v1(275.25,52.25) v1(275.25,61.25) ; v1(326.25,52.25) v1(326.25,61.25) ; v1(377.25,52.25) v1(377.25,61.25)
BIT5: U2.4 X1_Char1.6 X1_Char2.6 X1_Char3.6 X1_Char4.6 X1_Char5.6 X1_Char6.6 X1_Char7.6 X1_Char8.6 | length 497.4
  Top Layer w0.15: X1_Char1.6@19.25,50 v1(19.25,53.5) ; v1(19.25,61.75) 19.5,62 25.5,62 25.75,61.75 56,61.75 67.5,61.75 67.75,61.5 70,61.5 v1(70.25,61.75) 70.5,62 76.5,62 76.75,61.75 107.25,61.75 118.5,61.75 118.75,61.5 121,61.5 v1(121.25,61.75) 121.5,62 127.5,62 127.75,61.75 138.5,61.75 169.5,61.75 169.75,61.5 172,61.5 v1(172.25,61.75) 172.5,62 178.5,62 178.75,61.75 189.5,61.75 220.5,61.75 220.75,61.5 223,61.5 v1(223.25,61.75) 223.5,62 229.5,62 229.75,61.75 243.25,61.75 246.75,61.75 247,61.5 v1(252.5,61.5) 255,61.5 255.25,61.75 271.5,61.75 271.75,61.5 274,61.5 v1(274.25,61.75) 274.5,62 280.5,62 280.75,61.75 311,61.75 322.5,61.75 322.75,61.5 325,61.5 v1(325.25,61.75) 325.5,62 331.5,62 331.75,61.75 342.5,61.75 373.5,61.75 373.75,61.5 376,61.5 v1(376.25,61.75) ; X1_Char2.6@70.25,50 v1(70.25,53.5) ; X1_Char3.6@121.25,50 v1(121.25,53.5) ; X1_Char4.6@172.25,50 v1(172.25,53.5) ; X1_Char5.6@223.25,50 v1(223.25,53.5) ; U2.4@249.85,23.025 252.275,23.025 255.25,26 255.25,46.75 252.5,49.5 v1(252.5,56.25) ; X1_Char6.6@274.25,50 v1(274.25,53.5) ; X1_Char7.6@325.25,50 v1(325.25,53.5) ; X1_Char8.6@376.25,50 v1(376.25,53.5)
  Bottom Layer w0.15: v1(19.25,53.5) v1(19.25,61.75) ; v1(70.25,53.5) v1(70.25,61.75) ; v1(121.25,53.5) v1(121.25,61.75) ; v1(172.25,53.5) v1(172.25,61.75) ; v1(223.25,53.5) v1(223.25,61.75) ; v1(252.5,56.25) v1(252.5,61.5) ; v1(274.25,53.5) v1(274.25,61.75) ; v1(325.25,53.5) v1(325.25,61.75) ; v1(376.25,53.5) v1(376.25,61.75)
BIT6: U2.3 X1_Char1.4 X1_Char2.4 X1_Char3.4 X1_Char4.4 X1_Char5.4 X1_Char6.4 X1_Char7.4 X1_Char8.4 | length 502.6
  Top Layer w0.15: X1_Char1.4@18.25,50 v1(18.25,52.25) ; v1(18.25,62.25) 18.5,62.5 25.75,62.5 26,62.25 36.5,62.25 67.75,62.25 68,62 69,62 v1(69.25,62.25) 69.5,62.5 76.75,62.5 77,62.25 107,62.25 118.75,62.25 119,62 120,62 v1(120.25,62.25) 120.5,62.5 127.75,62.5 128,62.25 158,62.25 169.75,62.25 170,62 171,62 v1(171.25,62.25) 171.5,62.5 178.75,62.5 179,62.25 209,62.25 220.75,62.25 221,62 222,62 v1(222.25,62.25) 222.5,62.5 229.75,62.5 230,62.25 v1(253.5,62.25) 260,62.25 271.75,62.25 272,62 273,62 v1(273.25,62.25) 273.5,62.5 280.75,62.5 281,62.25 311,62.25 322.75,62.25 323,62 324,62 v1(324.25,62.25) 324.5,62.5 331.75,62.5 332,62.25 362,62.25 373.75,62.25 374,62 375,62 v1(375.25,62.25) ; X1_Char2.4@69.25,50 v1(69.25,52.25) ; X1_Char3.4@120.25,50 v1(120.25,52.25) ; X1_Char4.4@171.25,50 v1(171.25,52.25) ; X1_Char5.4@222.25,50 v1(222.25,52.25) ; U2.3@249.85,22.375 252.375,22.375 255.75,25.75 255.75,47 253.5,49.25 v1(253.5,56.25) ; X1_Char6.4@273.25,50 v1(273.25,52.25) ; X1_Char7.4@324.25,50 v1(324.25,52.25) ; X1_Char8.4@375.25,50 v1(375.25,52.25)
  Bottom Layer w0.15: v1(18.25,52.25) v1(18.25,62.25) ; v1(69.25,52.25) v1(69.25,62.25) ; v1(120.25,52.25) v1(120.25,62.25) ; v1(171.25,52.25) v1(171.25,62.25) ; v1(222.25,52.25) v1(222.25,62.25) ; v1(253.5,56.25) v1(253.5,62.25) ; v1(273.25,52.25) v1(273.25,62.25) ; v1(324.25,52.25) v1(324.25,62.25) ; v1(375.25,52.25) v1(375.25,62.25)
BIT7: U2.2 X1_Char1.2 X1_Char2.2 X1_Char3.2 X1_Char4.2 X1_Char5.2 X1_Char6.2 X1_Char7.2 X1_Char8.2 | length 506.8
  Top Layer w0.15: X1_Char1.2@17.25,50 v1(17.25,53.5) ; v1(17.25,62.75) 17.5,63 26,63 26.25,62.75 v1(68.25,62.75) 68.5,63 77,63 77.25,62.75 v1(119.25,62.75) 119.5,63 128,63 128.25,62.75 v1(170.25,62.75) 170.5,63 179,63 179.25,62.75 v1(221.25,62.75) 221.5,63 230,63 230.25,62.75 252.75,62.75 253,63 v1(254.5,63) 255,63 255.25,62.75 v1(272.25,62.75) 272.5,63 281,63 281.25,62.75 v1(323.25,62.75) 323.5,63 332,63 332.25,62.75 v1(374.25,62.75) ; X1_Char2.2@68.25,50 v1(68.25,53.5) ; X1_Char3.2@119.25,50 v1(119.25,53.5) ; X1_Char4.2@170.25,50 v1(170.25,53.5) ; X1_Char5.2@221.25,50 v1(221.25,53.5) ; U2.2@249.85,21.725 252.475,21.725 256.25,25.5 256.25,47.25 254.5,49 v1(254.5,56.25) ; X1_Char6.2@272.25,50 v1(272.25,53.5) ; X1_Char7.2@323.25,50 v1(323.25,53.5) ; X1_Char8.2@374.25,50 v1(374.25,53.5)
  Bottom Layer w0.15: v1(17.25,53.5) v1(17.25,62.75) ; v1(68.25,53.5) v1(68.25,62.75) ; v1(119.25,53.5) v1(119.25,62.75) ; v1(170.25,53.5) v1(170.25,62.75) ; v1(221.25,53.5) v1(221.25,62.75) ; v1(254.5,56.25) v1(254.5,63) ; v1(272.25,53.5) v1(272.25,62.75) ; v1(323.25,53.5) v1(323.25,62.75) ; v1(374.25,53.5) v1(374.25,62.75)
BIT_MCP0: R11.4 U2.11 U7.16 | length 26.2
  Top Layer w0.15: U7.16@222.5,20.9 225.15,20.9 229.5,25.25 229.5,26 231.25,27.75 v1(231.75,27.75) ; R11.4@240.35,27.75 241.45,27.75 v1(241.5,27.8) 243.075,27.8 U2.11@243.9,26.975
  Bottom Layer w0.15: v1(231.75,27.75) 231.8,27.8 v1(241.5,27.8)
BIT_MCP1: R11.3 U2.12 U7.15 | length 26.1
  Top Layer w0.15: U7.15@223.4,20 225,20 230,25 230,25.75 231.25,27 v1(232.25,27) ; R11.3@240.35,26.95 242.15,26.95 v1(242.25,27.05) 242.975,26.325 U2.12@243.9,26.325
  Bottom Layer w0.15: v1(232.25,27) 232.7,27 232.75,27.05 v1(242.25,27.05)
BIT_MCP2: R11.2 U2.13 U7.14 | length 25.7
  Top Layer w0.15: U7.14@223.4,19.5 225.25,19.5 230.5,24.75 230.5,25.5 231.05,26.05 v1(231.8,26.05) ; R11.2@240.35,26.15 242.15,26.15 v1(242.25,26.05) 242.625,25.675 U2.13@243.9,25.675
  Bottom Layer w0.15: v1(231.8,26.05) v1(242.25,26.05)
BIT_MCP3: R11.1 U2.14 U7.13 | length 24.4
  Top Layer w0.15: U7.13@223.4,19 225.5,19 231.75,25.25 v1(232.25,25.25) ; R11.1@240.35,25.35 241.45,25.35 v1(241.5,25.3) 241.775,25.025 U2.14@243.9,25.025
  Bottom Layer w0.15: v1(232.25,25.25) 232.3,25.3 v1(241.5,25.3)
BIT_MCP4: R12.4 U2.15 U7.12 | length 24.1
  Top Layer w0.15: U7.12@223.4,18.5 225.75,18.5 231.25,24 v1(232.25,24) ; R12.4@240.35,24 241.45,24 v1(241.5,24.05) 241.825,24.375 U2.15@243.9,24.375
  Bottom Layer w0.15: v1(232.25,24) 232.3,24.05 v1(241.5,24.05)
BIT_MCP5: R12.3 U2.16 U7.11 | length 24.8
  Top Layer w0.15: U7.11@223.4,18 226,18 231.25,23.25 v1(231.75,23.25) ; R12.3@240.35,23.2 242.15,23.2 v1(242.25,23.3) 242.675,23.725 U2.16@243.9,23.725
  Bottom Layer w0.15: v1(231.75,23.25) 231.8,23.3 v1(242.25,23.3)
BIT_MCP6: R12.2 U2.17 U7.10 | length 25.8
  Top Layer w0.15: U7.10@222.5,17.1 223.6,17.1 224,17.5 226.25,17.5 231.05,22.3 v1(232.3,22.3) ; R12.2@240.35,22.4 242.15,22.4 v1(242.25,22.3) 243.025,23.075 U2.17@243.9,23.075
  Bottom Layer w0.15: v1(232.3,22.3) v1(242.25,22.3)
BIT_MCP7: R12.1 U2.18 U7.9 | length 26.3
  Top Layer w0.15: U7.9@222,17.1 222,16.5 222.25,16.25 223.75,16.25 224.5,17 226.5,17 231,21.5 v1(231.75,21.5) ; R12.1@240.35,21.6 241.45,21.6 v1(241.5,21.55) 242.5,21.55 243.375,22.425 U2.18@243.9,22.425
  Bottom Layer w0.15: v1(231.75,21.5) 231.8,21.55 v1(241.5,21.55)
BYTE_EN1: JP11_Char1.1 R2.8 X1_Char1.20 | length 180.8
  Top Layer w0.15: JP11_Char1.1@20.75,40.25 v1(22,40.25) ; v1(25.5,40.25) 26.25,41 X1_Char1.20@26.25,50 ; v1(176.25,20.75) 177.2,19.8 R2.8@180.15,19.8
  Bottom Layer w0.15: v1(22,40.25) v1(25.5,40.25) 25.5,37.75 29,34.25 109.5,34.25 111.25,36 117.75,36 120.25,33.5 163.5,33.5 v1(176.25,20.75)
BYTE_EN2: JP11_Char2.1 R2.7 X1_Char2.20 | length 129.7
  Top Layer w0.15: JP11_Char2.1@71.75,40.25 v1(73,40.25) ; v1(76.5,40.25) 77.25,41 X1_Char2.20@77.25,50 ; v1(177.25,21.25) 177.9,20.6 R2.7@180.15,20.6
  Bottom Layer w0.15: v1(73,40.25) v1(76.5,40.25) 76.5,37.75 79.25,35 81.25,35 81.5,34.75 83,34.75 83.25,35 109.25,35 111,36.75 118,36.75 120.5,34.25 164.25,34.25 v1(177.25,21.25)
BYTE_EN3: JP11_Char3.1 R2.6 X1_Char3.20 | length 76.3
  Top Layer w0.15: JP11_Char3.1@122.75,40.25 v1(124,40.25) ; v1(127.5,40.25) 128.25,41 X1_Char3.20@128.25,50 ; v1(178.25,21.75) 178.6,21.4 R2.6@180.15,21.4
  Bottom Layer w0.15: v1(124,40.25) v1(127.5,40.25) 127.5,38.5 131,35 165,35 v1(178.25,21.75)
BYTE_EN4: JP11_Char4.1 R2.5 X1_Char4.20 | length 34.7
  Top Layer w0.15: JP11_Char4.1@173.75,40.25 v1(175,40.25) ; v1(178.5,40.25) 179.25,41 X1_Char4.20@179.25,50 ; v1(179.25,22.5) 179.55,22.2 R2.5@180.15,22.2
  Bottom Layer w0.15: v1(175,40.25) v1(178.5,40.25) ; 176.5,40.25 176.5,25.25 v1(179.25,22.5)
BYTE_EN5: JP11_Char5.1 R3.8 X1_Char5.20 | length 53.4
  Top Layer w0.15: R3.8@194.85,22.2 195.2,22.2 v1(195.75,22.75) ; JP11_Char5.1@224.75,40.25 v1(226,40.25) ; v1(229.5,40.25) 230.25,41 X1_Char5.20@230.25,50
  Bottom Layer w0.15: v1(195.75,22.75) 208.5,35.5 221.25,35.5 225.25,39.5 v1(226,40.25) v1(229.5,40.25)
BYTE_EN6: JP11_Char6.1 R3.7 X1_Char6.20 | length 104.8
  Top Layer w0.15: R3.7@194.85,21.4 195.65,21.4 v1(196.75,22.5) ; JP11_Char6.1@275.75,40.25 v1(277,40.25) ; v1(280.5,40.25) 281.25,41 X1_Char6.20@281.25,50
  Bottom Layer w0.15: v1(196.75,22.5) 209,34.75 271.5,34.75 276.75,40 v1(277,40.25) v1(280.5,40.25)
BYTE_EN7: JP11_Char7.1 R3.6 X1_Char7.20 | length 156.1
  Top Layer w0.15: R3.6@194.85,20.6 196.1,20.6 v1(197.75,22.25) ; JP11_Char7.1@326.75,40.25 v1(328,40.25) ; v1(331.5,40.25) 332.25,41 X1_Char7.20@332.25,50
  Bottom Layer w0.15: v1(197.75,22.25) 209.5,34 321.75,34 327.25,39.5 v1(328,40.25) v1(331.5,40.25)
BYTE_EN8: JP11_Char8.1 R3.5 X1_Char8.20 | length 207.4
  Top Layer w0.15: R3.5@194.85,19.8 196.55,19.8 v1(198.75,22) ; JP11_Char8.1@377.75,40.25 v1(379,40.25) ; v1(382.5,40.25) 383.25,41 X1_Char8.20@383.25,50
  Bottom Layer w0.15: v1(198.75,22) 210,33.25 372,33.25 377.75,39 v1(379,40.25) v1(382.5,40.25)
Coil_Drive_Out_Char1: U11_Char1.4 X1_Char1.22 | length 14.1
  Top Layer w0.254: X1_Char1.22@17.25,56 17.25,54.75 16,53.5 16,48.5 17.5,47 18.75,47 20.4,45.35 U11_Char1.4@20.4,44.95
Coil_Drive_Out_Char2: U11_Char2.4 X1_Char2.22 | length 14.1
  Top Layer w0.254: X1_Char2.22@68.25,56 68.25,54.75 67,53.5 67,48.5 68.5,47 69.75,47 71.4,45.35 U11_Char2.4@71.4,44.95
Coil_Drive_Out_Char3: U11_Char3.4 X1_Char3.22 | length 14.1
  Top Layer w0.254: X1_Char3.22@119.25,56 119.25,54.75 118,53.5 118,48.5 119.5,47 120.75,47 122.4,45.35 U11_Char3.4@122.4,44.95
Coil_Drive_Out_Char4: U11_Char4.4 X1_Char4.22 | length 14.1
  Top Layer w0.254: X1_Char4.22@170.25,56 170.25,54.75 169,53.5 169,48.5 170.5,47 171.75,47 173.4,45.35 U11_Char4.4@173.4,44.95
Coil_Drive_Out_Char5: U11_Char5.4 X1_Char5.22 | length 14.1
  Top Layer w0.254: X1_Char5.22@221.25,56 221.25,54.75 220,53.5 220,48.5 221.5,47 222.75,47 224.4,45.35 U11_Char5.4@224.4,44.95
Coil_Drive_Out_Char6: U11_Char6.4 X1_Char6.22 | length 14.1
  Top Layer w0.254: X1_Char6.22@272.25,56 272.25,54.75 271,53.5 271,48.5 272.5,47 273.75,47 275.4,45.35 U11_Char6.4@275.4,44.95
Coil_Drive_Out_Char7: U11_Char7.4 X1_Char7.22 | length 14.1
  Top Layer w0.254: X1_Char7.22@323.25,56 323.25,54.75 322,53.5 322,48.5 323.5,47 324.75,47 326.4,45.35 U11_Char7.4@326.4,44.95
Coil_Drive_Out_Char8: U11_Char8.4 X1_Char8.22 | length 14.1
  Top Layer w0.254: X1_Char8.22@374.25,56 374.25,54.75 373,53.5 373,48.5 374.5,47 375.75,47 377.4,45.35 U11_Char8.4@377.4,44.95
Coil_Square_Wave: JP3.2 U11_Char1.2 U11_Char2.2 U11_Char3.2 U11_Char4.2 U11_Char5.2 U11_Char6.2 U11_Char7.2 U11_Char8.2 | length 541.9
  Top Layer w0.15: v1(15.75,58) 16.25,58.5 66.25,58.5 v1(66.75,58) 67.25,58.5 100.75,58.5 ; U11_Char1.2@19.75,43.05 19.75,42.75 v1(20.5,42) ; U11_Char2.2@70.75,43.05 70.75,42.75 v1(71.5,42) ; JP3.2@102.65,33 102.65,46.1 100.75,48 100.75,58.5 ; U11_Char3.2@121.75,43.05 121.75,42.75 v1(122.5,42) ; U11_Char4.2@172.75,43.05 172.75,42.75 v1(173.5,42) ; U11_Char5.2@223.75,43.05 223.75,42.75 v1(224.5,42) ; U11_Char6.2@274.75,43.05 274.75,42.75 v1(275.5,42) ; U11_Char7.2@325.75,43.05 325.75,42.75 v1(326.5,42) ; v1(372.5,58) 372,58.5 322.25,58.5 v1(321.75,58) 321.25,58.5 271.25,58.5 v1(270.75,58) 270.25,58.5 258.25,58.5 256.75,57 245.5,57 244,58.5 220.25,58.5 v1(219.75,58) 219.25,58.5 169.25,58.5 v1(168.75,58) 168.25,58.5 118.25,58.5 v1(117.75,58) 117.25,58.5 100.75,58.5 ; U11_Char8.2@376.75,43.05 376.75,42.75 v1(377.5,42)
  Bottom Layer w0.15: v1(15.75,58) 15.75,46.75 v1(20.5,42) ; v1(66.75,58) 66.75,46.75 v1(71.5,42) ; v1(117.75,58) 117.75,46.75 v1(122.5,42) ; v1(168.75,58) 168.75,46.75 v1(173.5,42) ; v1(219.75,58) 219.75,46.75 v1(224.5,42) ; v1(270.75,58) 270.75,46.75 v1(275.5,42) ; v1(321.75,58) 321.75,46.75 v1(326.5,42) ; v1(372.5,58) 372.5,47 v1(377.5,42)
Coil_Status1: R41.8 X1_Char1.24 | length 227.1
  Top Layer w0.15: X1_Char1.24@18.25,56 18.25,57.25 19,58 33.5,58 v1(34,57.5) ; v1(34.5,63.5) 35.25,64.25 85,64.25 85.5,64.75 135.75,64.75 136.25,65.25 196,65.25 197.5,63.75 v1(197.5,63.5) ; v1(196.5,57.75) 196.5,57.5 198.25,55.75 198.25,50.5 204.25,44.5 204.25,39.75 210.8,33.2 R41.8@210.8,31.1
  Bottom Layer w0.15: v1(34,57.5) 34.5,58 v1(34.5,63.5) ; v1(196.5,57.75) 196.5,62 197.5,63 v1(197.5,63.5)
Coil_Status2: R41.7 X1_Char2.24 | length 177.1
  Top Layer w0.15: X1_Char2.24@69.25,56 69.25,57.25 70,58 84.5,58 v1(85,57.5) ; v1(85.5,63.5) 86.25,64.25 136.25,64.25 136.75,64.75 195.5,64.75 196.5,63.75 v1(196.5,63.5) ; v1(197.5,57.75) 197.5,57.5 198.75,56.25 198.75,50.75 204.75,44.75 204.75,40 211.6,33.15 R41.7@211.6,31.1
  Bottom Layer w0.15: v1(85,57.5) 85.5,58 v1(85.5,63.5) ; v1(196.5,63.5) 196.5,63 195.75,62.25 195.75,57.5 196.25,57 197,57 197.5,57.5 v1(197.5,57.75)
Coil_Status3: R41.6 X1_Char3.24 | length 126.3
  Top Layer w0.15: X1_Char3.24@120.25,56 120.25,57.25 121,58 135.5,58 135.75,57.75 v1(136,57.75) ; v1(136.5,63.5) 137.25,64.25 195,64.25 195.5,63.75 v1(195.5,63.5) ; v1(198.5,57.75) 199.25,57 199.25,51 205.25,45 205.25,40.25 212.4,33.1 R41.6@212.4,31.1
  Bottom Layer w0.15: v1(136,57.75) 136.25,57.75 136.5,58 v1(136.5,63.5) ; v1(195.5,63.5) 195.5,63 195.25,62.75 195.25,57.25 196,56.5 197.5,56.5 198.5,57.5 v1(198.5,57.75)
Coil_Status4: R41.5 X1_Char4.24 | length 75.7
  Top Layer w0.15: X1_Char4.24@171.25,56 171.25,57.25 172,58 186.5,58 v1(187,57.5) ; v1(187.5,63.5) v1(194.5,63.5) ; v1(199.5,57.75) 199.75,57.5 199.75,51.25 205.75,45.25 205.75,40.5 213.2,33.05 R41.5@213.2,31.1
  Bottom Layer w0.15: v1(187,57.5) 187.5,58 v1(187.5,63.5) ; v1(194.5,63.5) 194.5,57.25 195.75,56 198,56 199.5,57.5 v1(199.5,57.75)
Coil_Status5: R26.8 X1_Char5.24 | length 102.9
  Top Layer w0.15: v1(200.5,57.75) 200.25,57.5 200.25,51.5 206.25,45.5 206.25,40.75 214.8,32.2 R26.8@214.8,31.1 ; v1(205.5,63.5) 205.5,63.75 206,64.25 237.5,64.25 237.75,64.25 v1(238.5,63.5) ; X1_Char5.24@222.25,56 222.25,57.25 223,58 237.5,58 v1(238,57.5)
  Bottom Layer w0.15: v1(200.5,57.75) 200.5,57.5 202,56 204.25,56 205.5,57.25 v1(205.5,63.5) ; v1(238,57.5) 238.5,58 v1(238.5,63.5)
Coil_Status6: R26.7 X1_Char6.24 | length 153.6
  Top Layer w0.15: v1(201.5,57.75) 200.75,57 200.75,51.75 206.75,45.75 206.75,41 215.6,32.15 R26.7@215.6,31.1 ; v1(204.5,63.5) 204.5,63.75 205.55,64.8 237.95,64.8 238.5,64.25 288.75,64.25 289,64 v1(289.5,63.5) ; X1_Char6.24@273.25,56 273.25,57.25 274,58 288.5,58 v1(289,57.5)
  Bottom Layer w0.15: v1(201.5,57.75) 201.5,57.5 202.5,56.5 204,56.5 204.75,57.25 204.75,62.25 204.5,62.5 v1(204.5,63.5) ; v1(289,57.5) 289.5,58 v1(289.5,63.5)
Coil_Status7: R26.6 X1_Char7.24 | length 204.5
  Top Layer w0.15: v1(202.5,57.75) 201.25,56.5 201.25,52 207.25,46 207.25,41.25 216.4,32.1 R26.6@216.4,31.1 ; v1(203.5,63.5) 203.5,63.75 205,65.25 238.25,65.25 238.75,64.75 289,64.75 289.5,64.25 339.75,64.25 v1(340.5,63.5) ; X1_Char7.24@324.25,56 324.25,57.25 325,58 339.5,58 v1(340,57.5)
  Bottom Layer w0.15: v1(202.5,57.75) 202.5,57.5 203,57 203.75,57 204.25,57.5 204.25,61.75 203.5,62.5 v1(203.5,63.5) ; v1(340,57.5) 340.5,58 v1(340.5,63.5)
Coil_Status8: R26.5 X1_Char8.24 | length 221.8
  Top Layer w0.15: v1(202.5,63.5) 202.5,63.75 204.5,65.75 238.5,65.75 239,65.25 289.25,65.25 289.75,64.75 340,64.75 340.5,64.25 v1(373,64.25) ; v1(203.5,57.75) 201.75,56 201.75,52.25 207.75,46.25 207.75,41.5 217.2,32.05 R26.5@217.2,31.1 ; v1(373.5,58.25) 374.25,58.25 375.25,57.25 X1_Char8.24@375.25,56
  Bottom Layer w0.15: v1(202.5,63.5) 202.5,62.25 203.5,61.25 v1(203.5,57.75) ; v1(373,64.25) 373,58.75 v1(373.5,58.25)
Comp_VRef: C9.1 FB2_Char1.1 FB2_Char2.1 FB2_Char3.1 FB2_Char4.1 FB2_Char5.1 FB2_Char6.1 FB2_Char7.1 FB2_Char8.1 JP1.2 | length 82.7
  Top Layer w0.15: FB2_Char1.1@23.75,44.75 23.75,40.25 26,38 v1(27,38) ; FB2_Char2.1@74.75,44.75 74.75,40.25 77,38 v1(78,38) ; FB2_Char3.1@125.75,44.75 125.75,40.25 128,38 v1(129,38) ; FB2_Char4.1@176.75,44.75 176.75,40.25 179,38 v1(180,38) ; FB2_Char5.1@227.75,44.75 227.75,40.25 230,38 ; 230,38 v1(231,38) ; FB2_Char6.1@278.75,44.75 278.75,40.25 281,38 v1(282,38) ; FB2_Char7.1@329.75,44.75 329.75,40.25 332,38 v1(333,38) ; FB2_Char8.1@380.75,44.75 380.75,40.25 383,38 v1(384,38)
  Top Layer w0.25: C9.1@125,24.75 JP1.2@125,33 v1(125,36.25)
  Signal Layer 2 w0.25: v1(125,36.25) 125,38
D7: U3.30 X4.6 | length 30
  Top Layer w0.15: v1(144.25,26) 144.25,25.75 145.25,24.75 U3.30@145.925,24.75
  Bottom Layer w0.15: v1(144.25,26) 152.75,26 156.5,22.25 156.5,19.75 154.58,17.83 X4.6@154.58,9.15
D8: U3.11 X4.9 | length 35.6
  Top Layer w0.15: U3.11@153.075,26.75 153.5,26.75 154.75,28 159.5,28 162,25.5 162,12.75 155.75,6.5 v1(155.75,4.5)
  Bottom Layer w0.15: X4.9@154.58,4.35 154.43,4.5 v1(155.75,4.5)
D9: U3.12 X4.8 | length 35.6
  Top Layer w0.15: U3.12@153.075,27.25 153.25,27.25 154.5,28.5 159.75,28.5 162.5,25.75 162.5,12.25 158.25,8 v1(158.25,4.5)
  Bottom Layer w0.15: X4.8@157.12,4.35 156.97,4.5 v1(158.25,4.5)
D_N: TVS2.1 U3.33 USB1.2 | length 154.8
  Top Layer w0.25: USB1.2@5.925,15.65 7.75,15.65 TVS2.1@7.8,15.7 8.75,15.2 9.154,15.004 10.75,15.004 cw(c10.75,13.354) 12.4,13.354 12.4,9.252 ccw(c14.94,9.252) 13.144,7.456 15.606,4.994 ccw(c17.402,6.79) 17.402,4.25 28.75,4.25 118.076,4.25 ccw(c118.076,13.827) 124.848,7.055 138.771,20.978 ; 138.771,20.978 cw(c144.256,15.492) 144.256,23.25 U3.33@145.925,23.25
D_P: TVS2.2 U3.34 USB1.3 | length 154.8
  Top Layer w0.25: USB1.3@5.925,15 7.55,15 TVS2.2@7.8,14.75 8.946,14.504 10.75,14.504 cw(c10.75,13.354) 11.9,13.354 11.9,9.252 ccw(c14.94,9.252) 12.79,7.102 15.253,4.64 ccw(c17.402,6.79) 17.402,3.75 28.75,3.75 118,3.75 ccw(c118,14.01) 125.255,6.755 139.109,20.609 cw(c144.278,15.439) 144.278,22.75 U3.34@145.925,22.75
DECODER_A0: R1.1 R4.1 U3.15 | length 34.4
  Top Layer w0.15: U3.15@151.25,28.075 151.25,29 152.75,30.5 163.75,30.5 170,24.25 171.25,24.25 171.6,23.9 R4.1@172.3,23.9 172.3,20.3 R1.1@176.15,16.45
DECODER_A1: R1.2 R4.2 U3.14 | length 37.2
  Top Layer w0.15: U3.14@151.75,28.075 151.75,28.75 153,30 163.25,30 169.5,23.75 170.75,23.75 171.25,23.25 v1(171.25,22.5) ; v1(173,18) 175.35,15.65 R1.2@176.15,15.65 ; v1(173,20.75) 173,21 173.1,21.1 R4.2@173.1,23.9
  Bottom Layer w0.15: v1(171.25,22.5) 172,22.5 173,21.5 v1(173,20.75) v1(173,18)
DECODER_A2: R1.3 R4.3 U3.13 | length 38.6
  Top Layer w0.15: U3.13@152.25,28.075 152.25,28.5 153.25,29.5 162.75,29.5 169.25,23 v1(170.25,23) ; v1(173.75,16.25) 175.15,14.85 R1.3@176.15,14.85 ; v1(173.75,20) 173.9,20.15 R4.3@173.9,23.9
  Bottom Layer w0.15: v1(170.25,23) 170.75,23.5 172,23.5 174,21.5 174,20.5 173.75,20.25 v1(173.75,20) v1(173.75,16.25)
DECODER_EN: R1.4 R4.4 U3.16 | length 40.2
  Top Layer w0.15: U3.16@150.75,28.075 150.75,29.3 152.45,31 164.25,31 170.5,24.75 174.25,24.75 174.7,24.3 R4.4@174.7,23.9 174.7,19.3 v1(174.75,19.25) ; v1(174.75,14.25) 174.95,14.05 R1.4@176.15,14.05
  Bottom Layer w0.15: v1(174.75,14.25) v1(174.75,19.25)
DSCL_N: R39.1 R40.2 U10.6 X7.3 | length 14
  Top Layer w0.25: U10.6@380.25,24.527 382.25,24.527 384.25,22.527 389.723,22.527 389.75,22.5 389.777,22.5 390.777,21.5 X7.3@391.75,21.5 ; R40.2@387.3,21.527 388,21.527 388.2,21.727 R39.1@388.5,21.727
DSCL_P: R37.1 R39.2 U10.7 X7.4 | length 14.5
  Top Layer w0.25: U10.7@380.25,25.027 382.457,25.027 384.457,23.027 388.3,23.027 R39.2@388.55,23.277 ; R37.1@387.3,24.027 387.8,24.027 R39.2@388.55,23.277 ; X7.4@391.75,24 390.723,24 389.75,23.027 388.8,23.027 R39.2@388.55,23.277
DSDA_N: R35.1 R36.2 U10.9 X7.6 | length 14.9
  Top Layer w0.25: U10.9@380.25,26.027 382.25,26.027 384.25,28.027 387.977,28.027 ; R35.1@387.3,29.027 388.023,29.027 R36.2@388.5,28.55 387.977,28.027 ; X7.6@391.75,29 390.723,29 389.75,28.027 387.977,28.027
DSDA_P: R36.1 R38.2 U10.8 X7.5 | length 14.1
  Top Layer w0.25: U10.8@380.25,25.527 382.457,25.527 384.457,27.527 387.923,27.527 389.75,27.527 390.777,26.5 X7.5@391.75,26.5 ; R38.2@387.3,26.527 388.077,26.527 R36.1@388.5,26.95
FB: IC1.4 RFB1.1 RFB2.2 | length 9.4
  Top Layer w0.15: RFB1.1@82.05,29.75 RFB2.2@82.05,28.25 83.304,28.25 84,27.554 84,23.804 83.273,23.077 IC1.4@82.36,23.077